# Altium PCB MCC17.PcbDoc (part 4 of 5)
Units mm, origin at the board's own origin, x right, y up, seen from the top; angles counter-clockwise.
Board outline 170 x 100 mm, 2 copper layers (Top Layer, Bottom Layer), stack 1.571 mm thick; 112 components, 68 nets, 349 pads, 74 vias.
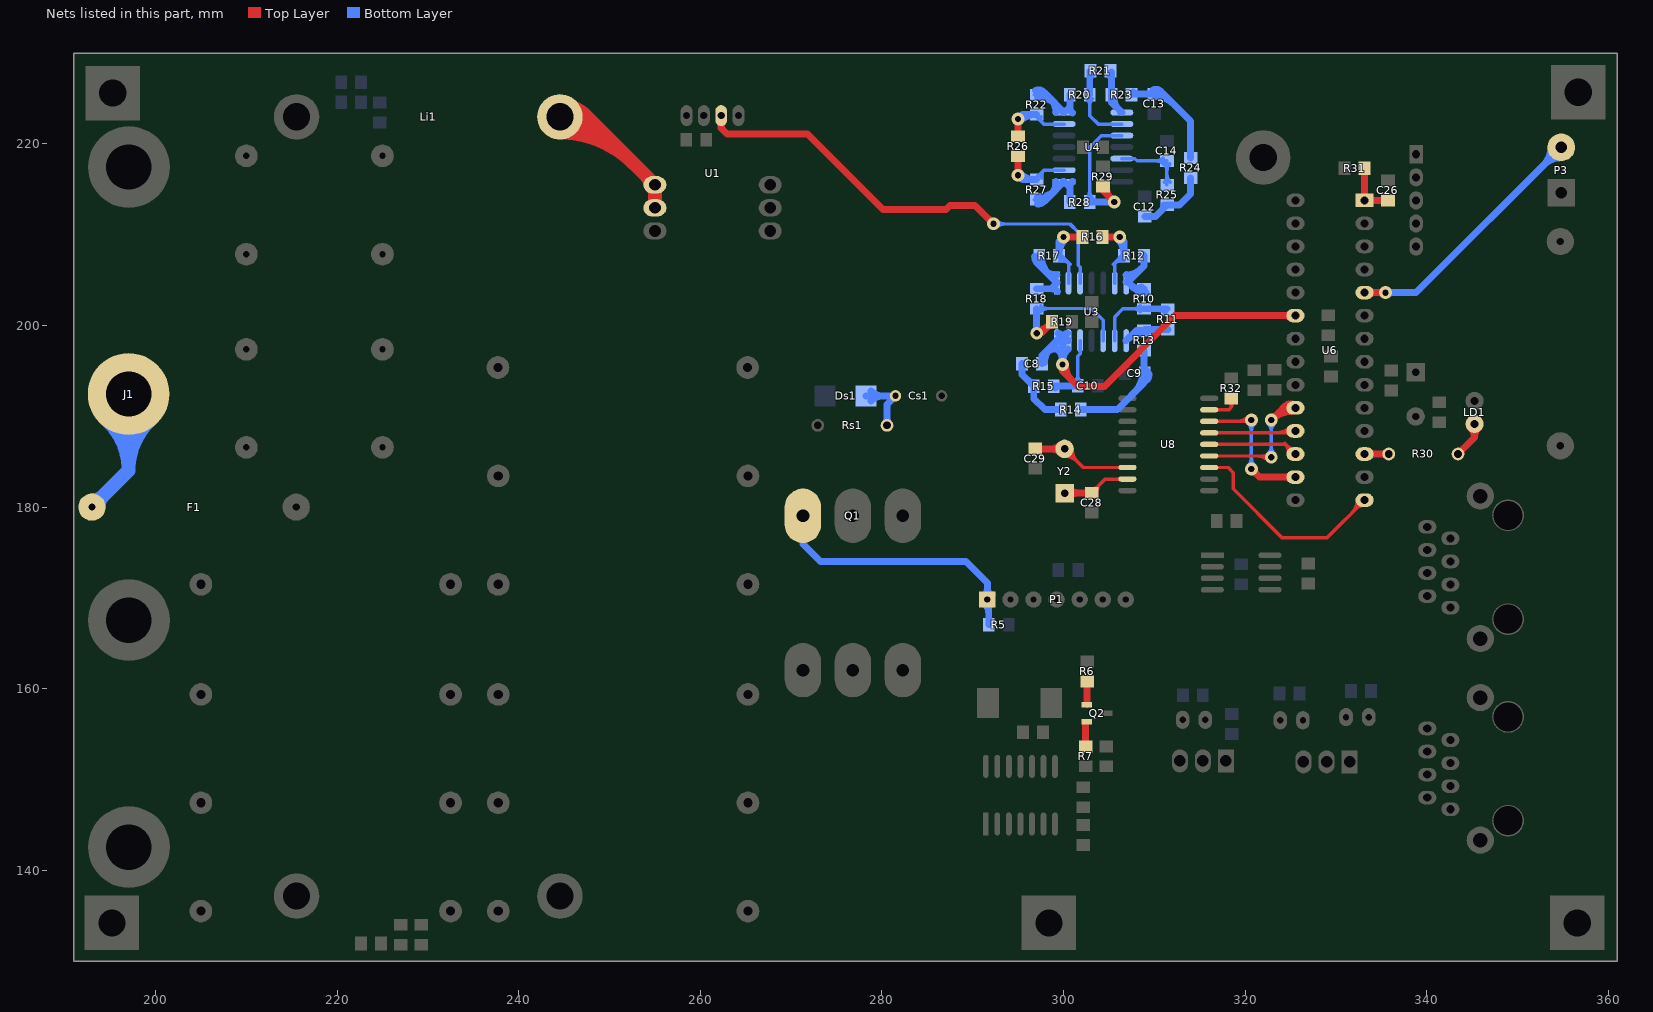
[diagram p4: the nets of this part, all layers, seen from the top]

## Via types
v1: diameter 1.4, hole 0.7, Top Layer to Bottom Layer, 48 vias
v2: diameter 1.27, hole 0.711, Top Layer to Bottom Layer, 24 vias
v3: diameter 5, hole 5, Top Layer to Bottom Layer, 2 vias

## Nets (pads, with @x,y where several pads share a name; then routed paths per layer and width w, separated by ;. In a path a pad name is that pad's centre, name@x,y a point inside that pad or via, vN(x,y) a via of type N, cw(c..) or ccw(c..) an arc to the next point about the centre after c; other vN are vias at no path point) (continued)
ENABLE: P3.2 U6.5 | length 53.6
  Top Layer w0.762: U6.5@333.165,203.625 v1(335.475,203.625) ; U6.5@333.676,203.364 cw(c334.306,202.734) 334.306,203.625 cw(c334.306,204.516) U6.5@333.676,203.886 ; v1@335.249,203.399 ccw(c334.705,202.855) 334.705,203.625 ccw(c334.705,204.395) v1@335.249,203.851 ; U6.5@333.426,203.364 cw(c334.056,202.734) U6.5@334.056,203.625 ; U6.5@333.426,203.364 cw(c334.056,202.734) U6.5@334.056,203.625 ; U6.5@333.426,203.364 cw(c334.056,202.734) U6.5@334.056,203.625 ; U6.5@333.426,203.886 ccw(c334.056,204.516) U6.5@334.056,203.625 ; U6.5@333.426,203.886 ccw(c334.056,204.516) U6.5@334.056,203.625 ; U6.5@333.426,203.886 ccw(c334.056,204.516) U6.5@334.056,203.625
  Bottom Layer w0.762: v1(335.475,203.625) 338.825,203.625 P3.2@354.825,219.625 ; v1@335.701,203.399 cw(c336.245,202.855) 336.245,203.625 cw(c336.245,204.395) v1@335.701,203.851 ; 352.874,217.674 cw(c354.825,215.723) P3.2@354.825,218.482 ; 352.874,217.674 ccw(c350.923,219.625) P3.2@353.682,219.625 ; 352.874,217.674 cw(c354.825,215.723) P3.2@354.825,218.482 ; 352.874,217.674 ccw(c350.923,219.625) P3.2@353.682,219.625 ; 352.874,217.674 ccw(c350.923,219.625) P3.2@353.682,219.625 ; 352.874,217.674 cw(c354.825,215.723) P3.2@354.825,218.482 ; 352.874,217.674 ccw(c350.923,219.625) P3.2@353.682,219.625 ; 352.874,217.674 cw(c354.825,215.723) P3.2@354.825,218.482
GATE: P1.1 Q1.1 R5.2 | length 47.3
  Bottom Layer w0.762: Q1.1@271.304,177.696 Q1.1@271.304,179.042 271.304,175.946 273.25,174 289.25,174 291.625,171.625 P1.1@291.625,169.825 ; R5.2@291.775,167.05 P1.1@291.775,169.675 ; P1.1@291.775,169.975 P1.1@292.15,170.35 ; P1.1@291.258,169.458 cw(c290.01,168.21) 291.775,168.21 ; P1.1@291.258,169.458 cw(c290.01,168.21) 291.775,168.21 ; P1.1@291.258,169.458 cw(c290.01,168.21) 291.775,168.21 ; P1.1@291.258,169.458 cw(c290.01,168.21) 291.775,168.21 ; P1.1@291.258,170.192 ccw(c290.372,171.078) 291.625,171.078 ; P1.1@291.258,170.192 ccw(c290.372,171.078) 291.625,171.078 ; P1.1@291.258,170.192 ccw(c290.372,171.078) 291.625,171.078 ; P1.1@291.258,170.192 ccw(c290.372,171.078) 291.625,171.078 ; 291.625,171.078 ccw(c292.878,171.078) P1.1@291.992,170.192 ; 291.625,171.078 ccw(c292.878,171.078) P1.1@291.992,170.192 ; 291.625,171.078 ccw(c292.878,171.078) P1.1@291.992,170.192 ; 291.625,171.078 ccw(c292.878,171.078) P1.1@291.992,170.192 ; P1.1@291.775,168.934 cw(c292.516,168.934) P1.1@291.992,169.458 ; P1.1@291.775,168.934 cw(c292.516,168.934) P1.1@291.992,169.458 ; P1.1@291.775,168.934 cw(c292.516,168.934) P1.1@291.992,169.458 ; P1.1@291.775,168.934 cw(c292.516,168.934) P1.1@291.992,169.458
IPANEL: C8.1 U3.13 U3.14 U6.23 | length 94.6
  Top Layer w0.762: v1@299.9,195 301.6,193.3 304.5,193.3 312.285,201.085 U6.23@325.545,201.085 ; v1@300.219,195.7 ccw(c302.679,195.7) 300.94,193.96 ; U6.23@325.034,200.824 ccw(c324.404,200.194) 324.404,201.085 ccw(c324.404,201.976) U6.23@325.034,201.346 ; v1@300.154,195.7 ccw(c302.457,195.7) 300.829,194.071 ; v1@300.154,195.7 ccw(c302.457,195.7) 300.829,194.071 ; v1@300.154,195.7 ccw(c302.457,195.7) 300.829,194.071 ; U6.23@324.654,201.085 cw(c324.654,200.194) U6.23@325.284,200.824 ; U6.23@324.654,201.085 ccw(c324.654,201.976) U6.23@325.284,201.346 ; U6.23@324.654,201.085 ccw(c324.654,201.976) U6.23@325.284,201.346 ; U6.23@324.654,201.085 cw(c324.654,200.194) U6.23@325.284,200.824 ; U6.23@324.654,201.085 ccw(c324.654,201.976) U6.23@325.284,201.346 ; U6.23@324.654,201.085 cw(c324.654,200.194) U6.23@325.284,200.824
  Bottom Layer w0.762: C8.1@297.65,195.8 297.65,196.685 U3.14@299.29,198.325 299.9,198.325 ; v1@299.674,195.926 ccw(c299.131,196.469) 299.9,196.469 ; v1(299.9,195.7) 299.9,198.325 ; 299.9,196.471 ccw(c300.671,196.471) v1@300.126,195.926 ; U3.13@300.56,198.325 299.9,198.325 ; 297.772,196.807 cw(c299.29,195.29) U3.14@299.29,197.436 ; 297.772,196.807 cw(c299.29,195.29) U3.14@299.29,197.436 ; 297.772,196.807 cw(c299.29,195.29) U3.14@299.29,197.436 ; 297.772,196.807 cw(c299.29,195.29) U3.14@299.29,197.436 ; C8.1@297.919,195.9 cw(c300.464,195.9) 298.664,197.699 ; C8.1@297.919,195.9 cw(c300.464,195.9) 298.664,197.699 ; C8.1@297.919,195.9 cw(c300.464,195.9) 298.664,197.699 ; C8.1@297.919,195.9 cw(c300.464,195.9) 298.664,197.699 ; U3.14@299.073,198.108 cw(c299.29,197.891) U3.14@299.29,198.198 ; U3.14@299.073,198.108 cw(c299.29,197.891) U3.14@299.29,198.198 ; U3.14@299.073,198.108 cw(c299.29,197.891) U3.14@299.29,198.198 ; U3.14@299.073,198.108 cw(c299.29,197.891) U3.14@299.29,198.198 ; U3.14@299.297,198.388 cw(c299.223,197.715) 299.9,197.715 ; U3.14@299.297,198.388 cw(c299.223,197.715) 299.9,197.715 ; U3.14@299.297,198.388 cw(c299.223,197.715) 299.9,197.715 ; U3.14@299.297,198.388 cw(c299.223,197.715) 299.9,197.715 ; U3.14@299.335,197.417 cw(c297.972,196.054) v1@299.9,196.054 ; U3.14@299.335,197.417 cw(c297.972,196.054) v1@299.9,196.054 ; U3.14@299.335,197.417 cw(c297.972,196.054) v1@299.9,196.054 ; U3.14@299.335,197.417 cw(c297.972,196.054) v1@299.9,196.054 ; U3.14@299.38,199.146 cw(c299.317,198.566) 299.9,198.566 ; U3.14@299.38,199.146 cw(c299.317,198.566) 299.9,198.566 ; U3.14@299.38,199.146 cw(c299.317,198.566) 299.9,198.566 ; U3.14@299.38,199.146 cw(c299.317,198.566) 299.9,198.566 ; v1@299.9,195.931 cw(c302.001,195.931) U3.13@300.515,197.417 ; v1@299.9,195.931 cw(c302.001,195.931) U3.13@300.515,197.417 ; v1@299.9,195.931 cw(c302.001,195.931) U3.13@300.515,197.417 ; v1@299.9,195.931 cw(c302.001,195.931) U3.13@300.515,197.417 ; 299.9,197.665 cw(c300.627,197.665) U3.13@300.554,198.388 ; 299.9,197.665 cw(c300.627,197.665) U3.13@300.554,198.388 ; 299.9,197.665 cw(c300.627,197.665) U3.13@300.554,198.388 ; 299.9,197.665 cw(c300.627,197.665) U3.13@300.554,198.388 ; 299.9,198.508 cw(c300.542,198.508) U3.13@300.477,199.146 ; 299.9,198.508 cw(c300.542,198.508) U3.13@300.477,199.146 ; 299.9,198.508 cw(c300.542,198.508) U3.13@300.477,199.146 ; 299.9,198.508 cw(c300.542,198.508) U3.13@300.477,199.146
IPANEL_SIG: U1.9 U3.3 | length 58.7
  Top Layer w0.762: U1.9@262.3,223.12 262.3,221.75 262.969,221.081 264.842,221.081 264.861,221.1 271.791,221.1 280.111,212.78 287.079,212.78 287.524,213.224 290.276,213.224 v1(292.3,211.2) ; v1@291.981,211.2 ccw(c291.211,211.2) 291.755,211.745 ccw(c292.3,212.289) v1@292.3,211.519 ; U1.9@262.503,222.443 ccw(c263.014,221.996) 262.534,221.516 ; U1.9@262.503,222.443 ccw(c263.014,221.996) 262.534,221.516 ; U1.9@262.503,222.443 ccw(c263.014,221.996) 262.534,221.516 ; U1.9@262.503,222.443 ccw(c263.014,221.996) 262.534,221.516
  Bottom Layer w0.381: v1(292.3,211.2) 292.317,211.183 300.717,211.183 301.625,210.275 301.625,206.625 301.83,206.42 U3.3@301.83,204.675 ; v1@292.66,210.84 cw(c293.488,210.012) 293.488,211.183 ; v1@292.66,211.56 ccw(c293.572,212.472) 293.572,211.183
LED: R30.2 U6.12 | length 13.1
  Top Layer w0.381: U6.12@333.165,185.845 U6.12@333.405,185.845 ; R30.2@335.825,185.845 R30.2@335.83,185.85
  Top Layer w0.762: U6.12@333.405,185.85 R30.2@335.83,185.85 ; U6.12@333.676,185.584 cw(c334.318,184.942) 334.318,185.85 ; U6.12@333.676,186.106 ccw(c334.294,186.724) 334.294,185.85 ; U6.12@333.426,185.584 cw(c334.068,184.942) U6.12@334.068,185.85 ; U6.12@333.426,185.584 cw(c334.068,184.942) U6.12@334.068,185.85 ; U6.12@333.426,185.584 cw(c334.068,184.942) U6.12@334.068,185.85 ; U6.12@333.426,186.106 ccw(c334.044,186.724) U6.12@334.044,185.85 ; U6.12@333.426,186.106 ccw(c334.044,186.724) U6.12@334.044,185.85 ; U6.12@333.426,186.106 ccw(c334.044,186.724) U6.12@334.044,185.85 ; 335.06,185.85 cw(c335.06,185.08) R30.2@335.604,185.624 ; 335.06,185.85 ccw(c335.06,186.62) R30.2@335.604,186.076 ; 335.06,185.85 cw(c335.06,185.08) R30.2@335.604,185.624 ; 335.06,185.85 ccw(c335.06,186.62) R30.2@335.604,186.076 ; 335.06,185.85 ccw(c335.06,186.62) R30.2@335.604,186.076 ; 335.06,185.85 cw(c335.06,185.08) R30.2@335.604,185.624 ; 335.06,185.85 ccw(c335.06,186.62) R30.2@335.604,186.076 ; 335.06,185.85 cw(c335.06,185.08) R30.2@335.604,185.624
MCP2515_INT: U6.14 U8.12 | length 32.4
  Top Layer w0.381: U8.12@316.051,184.361 318.139,184.361 318.7,183.8 318.7,182 324.1,176.6 329,176.6 U6.14@333.165,180.765 ; 331.783,179.383 ccw(c330.401,180.765) U6.14@332.355,180.765 ; 332.387,179.987 cw(c332.915,179.458) U6.14@332.915,180.205 ; 332.434,180.033 ccw(c331.702,180.765) U6.14@332.736,180.765 ; 332.21,179.81 cw(c333.165,178.855) U6.14@333.165,180.205 ; 332.21,179.81 ccw(c331.255,180.765) U6.14@332.606,180.765 ; 332.21,179.81 ccw(c331.255,180.765) U6.14@332.606,180.765 ; 332.21,179.81 cw(c333.165,178.855) U6.14@333.165,180.205 ; 332.21,179.81 ccw(c331.255,180.765) U6.14@332.606,180.765 ; 332.21,179.81 cw(c333.165,178.855) U6.14@333.165,180.205
MCP2515_MISO: U6.18 U8.15 | length 21.7
  Top Layer w0.381: U8.15@316.051,188.171 325.331,188.171 U6.18@325.545,188.385 ; 323.427,188.171 ccw(c323.427,190.253) U6.18@324.899,188.781 ; 324.347,188.171 ccw(c324.347,189.333) U6.18@325.169,188.511 ; 324.461,188.171 cw(c324.461,187.551) U6.18@324.899,187.989 ; 323.677,188.171 ccw(c323.677,190.253) U6.18@325.149,188.781 ; 323.677,188.171 ccw(c323.677,190.253) U6.18@325.149,188.781 ; 323.677,188.171 ccw(c323.677,190.253) U6.18@325.149,188.781 ; U6.18@324.597,188.171 ccw(c324.597,189.333) U6.18@325.419,188.511 ; U6.18@324.597,188.171 ccw(c324.597,189.333) U6.18@325.419,188.511 ; U6.18@324.597,188.171 ccw(c324.597,189.333) U6.18@325.419,188.511 ; U6.18@324.711,188.171 cw(c324.711,187.551) U6.18@325.149,187.989 ; U6.18@324.711,188.171 cw(c324.711,187.551) U6.18@325.149,187.989 ; U6.18@324.711,188.171 cw(c324.711,187.551) U6.18@325.149,187.989
MCP2515_MOSI: U6.17 U8.14 | length 18.1
  Top Layer w0.381: U8.14@316.051,186.901 316.052,186.9 324.49,186.9 U6.17@325.545,185.845 ; 324.365,187.025 cw(c323.432,186.091) U6.17@324.74,185.918 ; 324.767,186.623 ccw(c325.295,187.152) U6.17@325.295,186.404 ; 324.59,186.8 cw(c323.635,185.845) U6.17@324.986,185.845 ; 324.59,186.8 ccw(c325.545,187.755) U6.17@325.545,186.404 ; 324.59,186.8 ccw(c325.545,187.755) U6.17@325.545,186.404 ; 324.59,186.8 cw(c323.635,185.845) U6.17@324.986,185.845 ; 324.59,186.8 ccw(c325.545,187.755) U6.17@325.545,186.404 ; 324.59,186.8 cw(c323.635,185.845) U6.17@324.986,185.845
MCP2515_SCK: U6.19 U8.13 | length 48.7
  Top Layer w0.381: U8.13@316.082,185.6 U8.13@316.051,185.631 v1@322.768,185.631 ; 321.352,185.631 cw(c321.352,183.953) v1@322.539,185.139 ; 321.986,185.631 ccw(c321.986,186.413) v1@322.539,185.86 ; 321.509,185.631 cw(c321.509,184.11) v1@322.585,185.185 ; 321.509,185.631 cw(c321.509,184.11) v1@322.585,185.185 ; 321.509,185.631 cw(c321.509,184.11) v1@322.585,185.185 ; 322.143,185.631 ccw(c322.143,186.256) v1@322.585,185.814 ; 322.143,185.631 ccw(c322.143,186.256) v1@322.585,185.814 ; 322.143,185.631 ccw(c322.143,186.256) v1@322.585,185.814
  Top Layer w0.762: v1@322.838,189.538 cw(c325.295,187.081) U6.19@325.295,190.556 ; v1(322.899,189.6) 324.225,190.925 U6.19@325.545,190.925 ; v1@322.899,189.919 ccw(c322.899,190.689) 323.444,190.144 ccw(c323.988,189.6) v1@323.218,189.6 ; 323.69,190.39 cw(c324.546,189.533) U6.19@325.12,190.6 ; 324.139,190.839 cw(c325.295,189.683) U6.19@325.295,191.318 ; 324.414,191.114 cw(c325.053,190.475) U6.19@325.481,191.271 ; U6.19@325.034,190.664 ccw(c324.404,190.034) 324.404,190.925 ccw(c324.404,191.816) U6.19@325.034,191.186 ; U6.19@324.654,190.925 cw(c324.654,190.034) U6.19@325.284,190.664 ; U6.19@324.654,190.925 ccw(c324.654,191.816) U6.19@325.284,191.186 ; U6.19@324.654,190.925 ccw(c324.654,191.816) U6.19@325.284,191.186 ; U6.19@324.654,190.925 cw(c324.654,190.034) U6.19@325.284,190.664 ; U6.19@324.654,190.925 ccw(c324.654,191.816) U6.19@325.284,191.186 ; U6.19@324.654,190.925 cw(c324.654,190.034) U6.19@325.284,190.664
  Bottom Layer w0.381: v1@322.539,185.86 ccw(c321.669,186.73) 322.899,186.73 ccw(c324.129,186.73) v1@323.26,185.86 ; v1@322.539,189.239 cw(c321.669,188.37) 322.899,188.37 cw(c324.129,188.37) v1@323.26,189.239 ; v1(322.899,185.5) v1(322.899,189.6) ; U6.19@325.445,191.025 U6.19@325.545,190.925 ; v1@322.585,185.814 ccw(c321.826,186.573) 322.899,186.573 ; v1@322.585,185.814 ccw(c321.826,186.573) 322.899,186.573 ; v1@322.585,185.814 ccw(c321.826,186.573) 322.899,186.573 ; v1@322.585,189.285 cw(c321.826,188.527) 322.899,188.527 ; v1@322.585,189.285 cw(c321.826,188.527) 322.899,188.527 ; v1@322.585,189.285 cw(c321.826,188.527) 322.899,188.527 ; 322.899,186.573 ccw(c323.972,186.573) v1@323.214,185.814 ; 322.899,186.573 ccw(c323.972,186.573) v1@323.214,185.814 ; 322.899,186.573 ccw(c323.972,186.573) v1@323.214,185.814 ; 322.899,188.527 cw(c323.972,188.527) v1@323.214,189.285 ; 322.899,188.527 cw(c323.972,188.527) v1@323.214,189.285 ; 322.899,188.527 cw(c323.972,188.527) v1@323.214,189.285
MCP2515_SS: U6.16 U8.16 | length 44.3
  Top Layer w0.381: U8.16@316.051,189.441 v1@320.541,189.441 ; 319.086,189.441 ccw(c319.086,191.213) v1@320.339,189.96 ; 319.852,189.441 cw(c319.852,188.753) v1@320.339,189.239 ; 320.006,189.441 ccw(c320.006,190.293) v1@320.608,189.69 ; U6.16@324.795,183.305 U6.16@325.545,183.305 ; 319.243,189.441 ccw(c319.243,191.056) v1@320.385,189.914 ; 319.243,189.441 ccw(c319.243,191.056) v1@320.385,189.914 ; 319.243,189.441 ccw(c319.243,191.056) v1@320.385,189.914 ; 320.009,189.441 cw(c320.009,188.91) v1@320.385,189.285 ; 320.009,189.441 cw(c320.009,188.91) v1@320.385,189.285 ; 320.009,189.441 cw(c320.009,188.91) v1@320.385,189.285
  Top Layer w0.762: v1@320.699,183.881 cw(c320.699,183.111) 321.244,183.655 cw(c321.788,184.2) v1@321.018,184.2 ; v1(320.699,184.2) 321.594,183.305 U6.16@325.545,183.305 ; U6.16@325.034,183.044 ccw(c324.404,182.414) 324.404,183.305 ccw(c324.404,184.196) U6.16@325.034,183.566 ; U6.16@324.654,183.305 cw(c324.654,182.414) U6.16@325.284,183.044 ; U6.16@324.654,183.305 ccw(c324.654,184.196) U6.16@325.284,183.566 ; U6.16@324.654,183.305 ccw(c324.654,184.196) U6.16@325.284,183.566 ; U6.16@324.654,183.305 cw(c324.654,182.414) U6.16@325.284,183.044 ; U6.16@324.654,183.305 ccw(c324.654,184.196) U6.16@325.284,183.566 ; U6.16@324.654,183.305 cw(c324.654,182.414) U6.16@325.284,183.044
  Bottom Layer w0.381: v1@320.339,184.56 ccw(c319.469,185.43) 320.699,185.43 ccw(c321.929,185.43) v1@321.06,184.56 ; v1@320.339,189.239 cw(c319.469,188.37) 320.699,188.37 cw(c321.929,188.37) v1@321.06,189.239 ; v1(320.699,184.2) v1(320.699,189.6) ; v1@320.385,184.514 ccw(c319.626,185.273) 320.699,185.273 ; v1@320.385,184.514 ccw(c319.626,185.273) 320.699,185.273 ; v1@320.385,184.514 ccw(c319.626,185.273) 320.699,185.273 ; v1@320.385,189.285 cw(c319.626,188.527) 320.699,188.527 ; v1@320.385,189.285 cw(c319.626,188.527) 320.699,188.527 ; v1@320.385,189.285 cw(c319.626,188.527) 320.699,188.527 ; 320.699,185.273 ccw(c321.772,185.273) v1@321.014,184.514 ; 320.699,185.273 ccw(c321.772,185.273) v1@321.014,184.514 ; 320.699,185.273 ccw(c321.772,185.273) v1@321.014,184.514 ; 320.699,188.527 cw(c321.772,188.527) v1@321.014,189.285 ; 320.699,188.527 cw(c321.772,188.527) v1@321.014,189.285 ; 320.699,188.527 cw(c321.772,188.527) v1@321.014,189.285
NetC8_2: C8.2 R14.1 R15.2 | length 10.6
  Bottom Layer w0.762: C8.2@295.45,195.8 295.45,194.6 R15.2@296.725,193.325 296.725,191.975 297.95,190.75 R14.1@299.7,190.75 ; R15.2@296.095,193.955 ccw(c296.725,194.585) R15.2@296.725,193.694 ; R15.2@296.095,193.955 ccw(c296.725,194.585) R15.2@296.725,193.694 ; R15.2@296.095,193.955 ccw(c296.725,194.585) R15.2@296.725,193.694 ; R15.2@296.095,193.955 ccw(c296.725,194.585) R15.2@296.725,193.694
NetC9_2: C9.2 R13.1 R14.2 | length 29.1
  Bottom Layer w0.762: R14.2@301.9,190.75 305.928,190.75 308.875,193.697 308.875,194.75 R13.1@308.875,197.25 ; 307.87,192.692 ccw(c305.912,194.65) C9.2@308.681,194.65 ; 307.87,192.692 ccw(c305.912,194.65) C9.2@308.681,194.65 ; 307.87,192.692 ccw(c305.912,194.65) C9.2@308.681,194.65 ; 307.87,192.692 ccw(c305.912,194.65) C9.2@308.681,194.65 ; 308.875,193.82 cw(c309.78,193.82) C9.2@309.14,194.46 ; 308.875,193.82 cw(c309.78,193.82) C9.2@309.14,194.46 ; 308.875,193.82 cw(c309.78,193.82) C9.2@309.14,194.46 ; 308.875,193.82 cw(c309.78,193.82) C9.2@309.14,194.46 ; 308.875,195.68 ccw(c309.78,195.68) C9.2@309.14,195.04 ; 308.875,195.68 ccw(c309.78,195.68) C9.2@309.14,195.04 ; 308.875,195.68 ccw(c309.78,195.68) C9.2@309.14,195.04 ; 308.875,195.68 ccw(c309.78,195.68) C9.2@309.14,195.04 ; 309.171,193.993 ccw(c308.514,194.65) C9.2@309.443,194.65 ; 309.171,193.993 ccw(c308.514,194.65) C9.2@309.443,194.65 ; 309.171,193.993 ccw(c308.514,194.65) C9.2@309.443,194.65 ; 309.171,193.993 ccw(c308.514,194.65) C9.2@309.443,194.65
NetC10_2: C10.2 R15.1 U3.12 | length 17
  Bottom Layer w0.381: C10.2@301.575,193.35 301.575,196.625 301.83,196.88 U3.12@301.83,198.325 ; C10.2@301.25,193.775 ccw(c300.466,194.559) 301.575,194.559 ; C10.2@301.25,193.775 ccw(c300.466,194.559) 301.575,194.559 ; C10.2@301.25,193.775 ccw(c300.466,194.559) 301.575,194.559 ; C10.2@301.25,193.775 ccw(c300.466,194.559) 301.575,194.559 ; 301.575,194.559 ccw(c302.684,194.559) C10.2@301.9,193.775 ; 301.575,194.559 ccw(c302.684,194.559) C10.2@301.9,193.775 ; 301.575,194.559 ccw(c302.684,194.559) C10.2@301.9,193.775 ; 301.575,194.559 ccw(c302.684,194.559) C10.2@301.9,193.775
  Bottom Layer w0.762: R15.1@298.95,193.35 C10.2@301.575,193.35 ; R15.1@299.115,193.135 cw(c299.635,192.615) 299.635,193.35 ; R15.1@299.115,193.135 cw(c299.635,192.615) 299.635,193.35 ; R15.1@299.115,193.135 cw(c299.635,192.615) 299.635,193.35 ; R15.1@299.115,193.135 cw(c299.635,192.615) 299.635,193.35
NetC12_2: C12.2 R24.1 R25.2 | length 10.6
  Bottom Layer w0.762: C12.2@308.95,212 310.15,212 R25.2@311.425,213.275 312.775,213.275 314,214.5 R24.1@314,216.25 ; R25.2@310.795,212.645 ccw(c310.165,213.275) R25.2@311.056,213.275 ; R25.2@310.795,212.645 ccw(c310.165,213.275) R25.2@311.056,213.275 ; R25.2@310.795,212.645 ccw(c310.165,213.275) R25.2@311.056,213.275 ; R25.2@310.795,212.645 ccw(c310.165,213.275) R25.2@311.056,213.275
NetC13_2: C13.2 R23.1 R24.2 | length 34.9
  Bottom Layer w0.762: R23.1@307.5,225.425 307.575,225.5 C13.2@310,225.5 311,225.5 314,222.5 R24.2@314,218.45 ; R23.1@307.69,225.715 ccw(c308.21,226.235) 308.21,225.5 ; R23.1@307.69,225.715 ccw(c308.21,226.235) 308.21,225.5 ; R23.1@307.69,225.715 ccw(c308.21,226.235) 308.21,225.5 ; R23.1@307.69,225.715 ccw(c308.21,226.235) 308.21,225.5 ; C13.2@309.885,225.944 cw(c310.193,225.308) C13.2@310.693,225.807 ; C13.2@309.885,225.944 cw(c310.193,225.308) C13.2@310.693,225.807 ; C13.2@309.885,225.944 cw(c310.193,225.308) C13.2@310.693,225.807 ; C13.2@309.885,225.944 cw(c310.193,225.308) C13.2@310.693,225.807 ; C13.2@310.1,225.231 cw(c310.1,222.409) 312.096,224.404 ; C13.2@310.1,225.231 cw(c310.1,222.409) 312.096,224.404 ; C13.2@310.1,225.231 cw(c310.1,222.409) 312.096,224.404 ; C13.2@310.1,225.231 cw(c310.1,222.409) 312.096,224.404 ; C13.2@310.1,225.993 cw(c310.1,225.01) 310.795,225.705 ; C13.2@310.1,225.993 cw(c310.1,225.01) 310.795,225.705 ; C13.2@310.1,225.993 cw(c310.1,225.01) 310.795,225.705 ; C13.2@310.1,225.993 cw(c310.1,225.01) 310.795,225.705 ; C13.2@310.217,225.258 cw(c310.688,224.288) 311.45,225.05 ; C13.2@310.217,225.258 cw(c310.688,224.288) 311.45,225.05 ; C13.2@310.217,225.258 cw(c310.688,224.288) 311.45,225.05 ; C13.2@310.217,225.258 cw(c310.688,224.288) 311.45,225.05
NetC14_2: C14.2 R25.1 U4.12 | length 28.6
  Bottom Layer w0.381: U4.12@306.425,218.38 307.87,218.38 308.125,218.125 C14.2@311.4,218.125 R25.1@311.4,215.5 ; 310.191,218.125 cw(c310.191,217.016) C14.2@310.975,217.8 ; 310.191,218.125 ccw(c310.191,219.234) C14.2@310.975,218.45 ; 310.191,218.125 cw(c310.191,217.016) C14.2@310.975,217.8 ; 310.191,218.125 ccw(c310.191,219.234) C14.2@310.975,218.45 ; 310.191,218.125 ccw(c310.191,219.234) C14.2@310.975,218.45 ; 310.191,218.125 cw(c310.191,217.016) C14.2@310.975,217.8 ; 310.191,218.125 ccw(c310.191,219.234) C14.2@310.975,218.45 ; 310.191,218.125 cw(c310.191,217.016) C14.2@310.975,217.8 ; C14.2@311.075,217.8 cw(c310.291,217.016) 311.4,217.016 ; C14.2@311.075,217.8 cw(c310.291,217.016) 311.4,217.016 ; C14.2@311.075,217.8 cw(c310.291,217.016) 311.4,217.016 ; C14.2@311.075,217.8 cw(c310.291,217.016) 311.4,217.016 ; R25.1@311.1,215.8 ccw(c310.376,216.524) 311.4,216.524 ; R25.1@311.1,215.8 ccw(c310.376,216.524) 311.4,216.524 ; R25.1@311.1,215.8 ccw(c310.376,216.524) 311.4,216.524 ; R25.1@311.1,215.8 ccw(c310.376,216.524) 311.4,216.524 ; 311.4,216.645 ccw(c312.595,216.645) R25.1@311.75,215.8 ; 311.4,216.645 ccw(c312.595,216.645) R25.1@311.75,215.8 ; 311.4,216.645 ccw(c312.595,216.645) R25.1@311.75,215.8 ; 311.4,216.645 ccw(c312.595,216.645) R25.1@311.75,215.8 ; 311.4,217.016 cw(c312.509,217.016) C14.2@311.725,217.8 ; 311.4,217.016 cw(c312.509,217.016) C14.2@311.725,217.8 ; 311.4,217.016 cw(c312.509,217.016) C14.2@311.725,217.8 ; 311.4,217.016 cw(c312.509,217.016) C14.2@311.725,217.8
NetC26_1: C26.1 R31.2 U6.1 | length 17.3
  Top Layer w0.381: U6.1@333.175,213.775 U6.1@333.175,213.785
  Top Layer w0.762: U6.1@333.165,213.785 R31.2@333.165,217.3 ; U6.1@333.175,213.775 C26.1@335.74,213.775 ; U6.1@333.676,213.524 cw(c334.282,212.918) 334.282,213.775 ; U6.1@333.676,214.046 ccw(c334.33,214.7) 334.33,213.775 ; U6.1@332.904,214.046 ccw(c332.274,214.676) 333.165,214.676 ; U6.1@332.904,214.046 ccw(c332.274,214.676) 333.165,214.676 ; U6.1@332.904,214.046 ccw(c332.274,214.676) 333.165,214.676 ; U6.1@332.904,214.046 ccw(c332.274,214.676) 333.165,214.676 ; 333.165,214.676 ccw(c334.056,214.676) U6.1@333.426,214.046 ; 333.165,214.676 ccw(c334.056,214.676) U6.1@333.426,214.046 ; 333.165,214.676 ccw(c334.056,214.676) U6.1@333.426,214.046 ; 333.165,214.676 ccw(c334.056,214.676) U6.1@333.426,214.046 ; U6.1@333.426,213.524 cw(c334.032,212.918) U6.1@334.032,213.775 ; U6.1@333.426,213.524 cw(c334.032,212.918) U6.1@334.032,213.775 ; U6.1@333.426,213.524 cw(c334.032,212.918) U6.1@334.032,213.775 ; U6.1@333.426,214.046 ccw(c334.08,214.7) U6.1@334.08,213.775 ; U6.1@333.426,214.046 ccw(c334.08,214.7) U6.1@334.08,213.775 ; U6.1@333.426,214.046 ccw(c334.08,214.7) U6.1@334.08,213.775
NetC28_2: C28.2 U8.8 Y2.1 | length 24.2
  Top Layer w0.381: Y2.1@300.126,181.536 Y2.1@300.166,181.576 ; C28.2@303.101,181.576 304.616,183.091 U8.8@307.051,183.091 ; C28.2@303.201,182.035 ccw(c303.201,182.903) 303.815,182.29 ; C28.2@303.201,182.035 ccw(c303.201,182.903) 303.815,182.29 ; C28.2@303.201,182.035 ccw(c303.201,182.903) 303.815,182.29 ; C28.2@303.201,182.035 ccw(c303.201,182.903) 303.815,182.29 ; C28.2@303.66,181.576 cw(c305.011,181.576) 304.056,182.531 ; C28.2@303.66,181.576 cw(c305.011,181.576) 304.056,182.531 ; C28.2@303.66,181.576 cw(c305.011,181.576) 304.056,182.531 ; C28.2@303.66,181.576 cw(c305.011,181.576) 304.056,182.531